# KiCad board q2v2.kicad_pcb (continued)
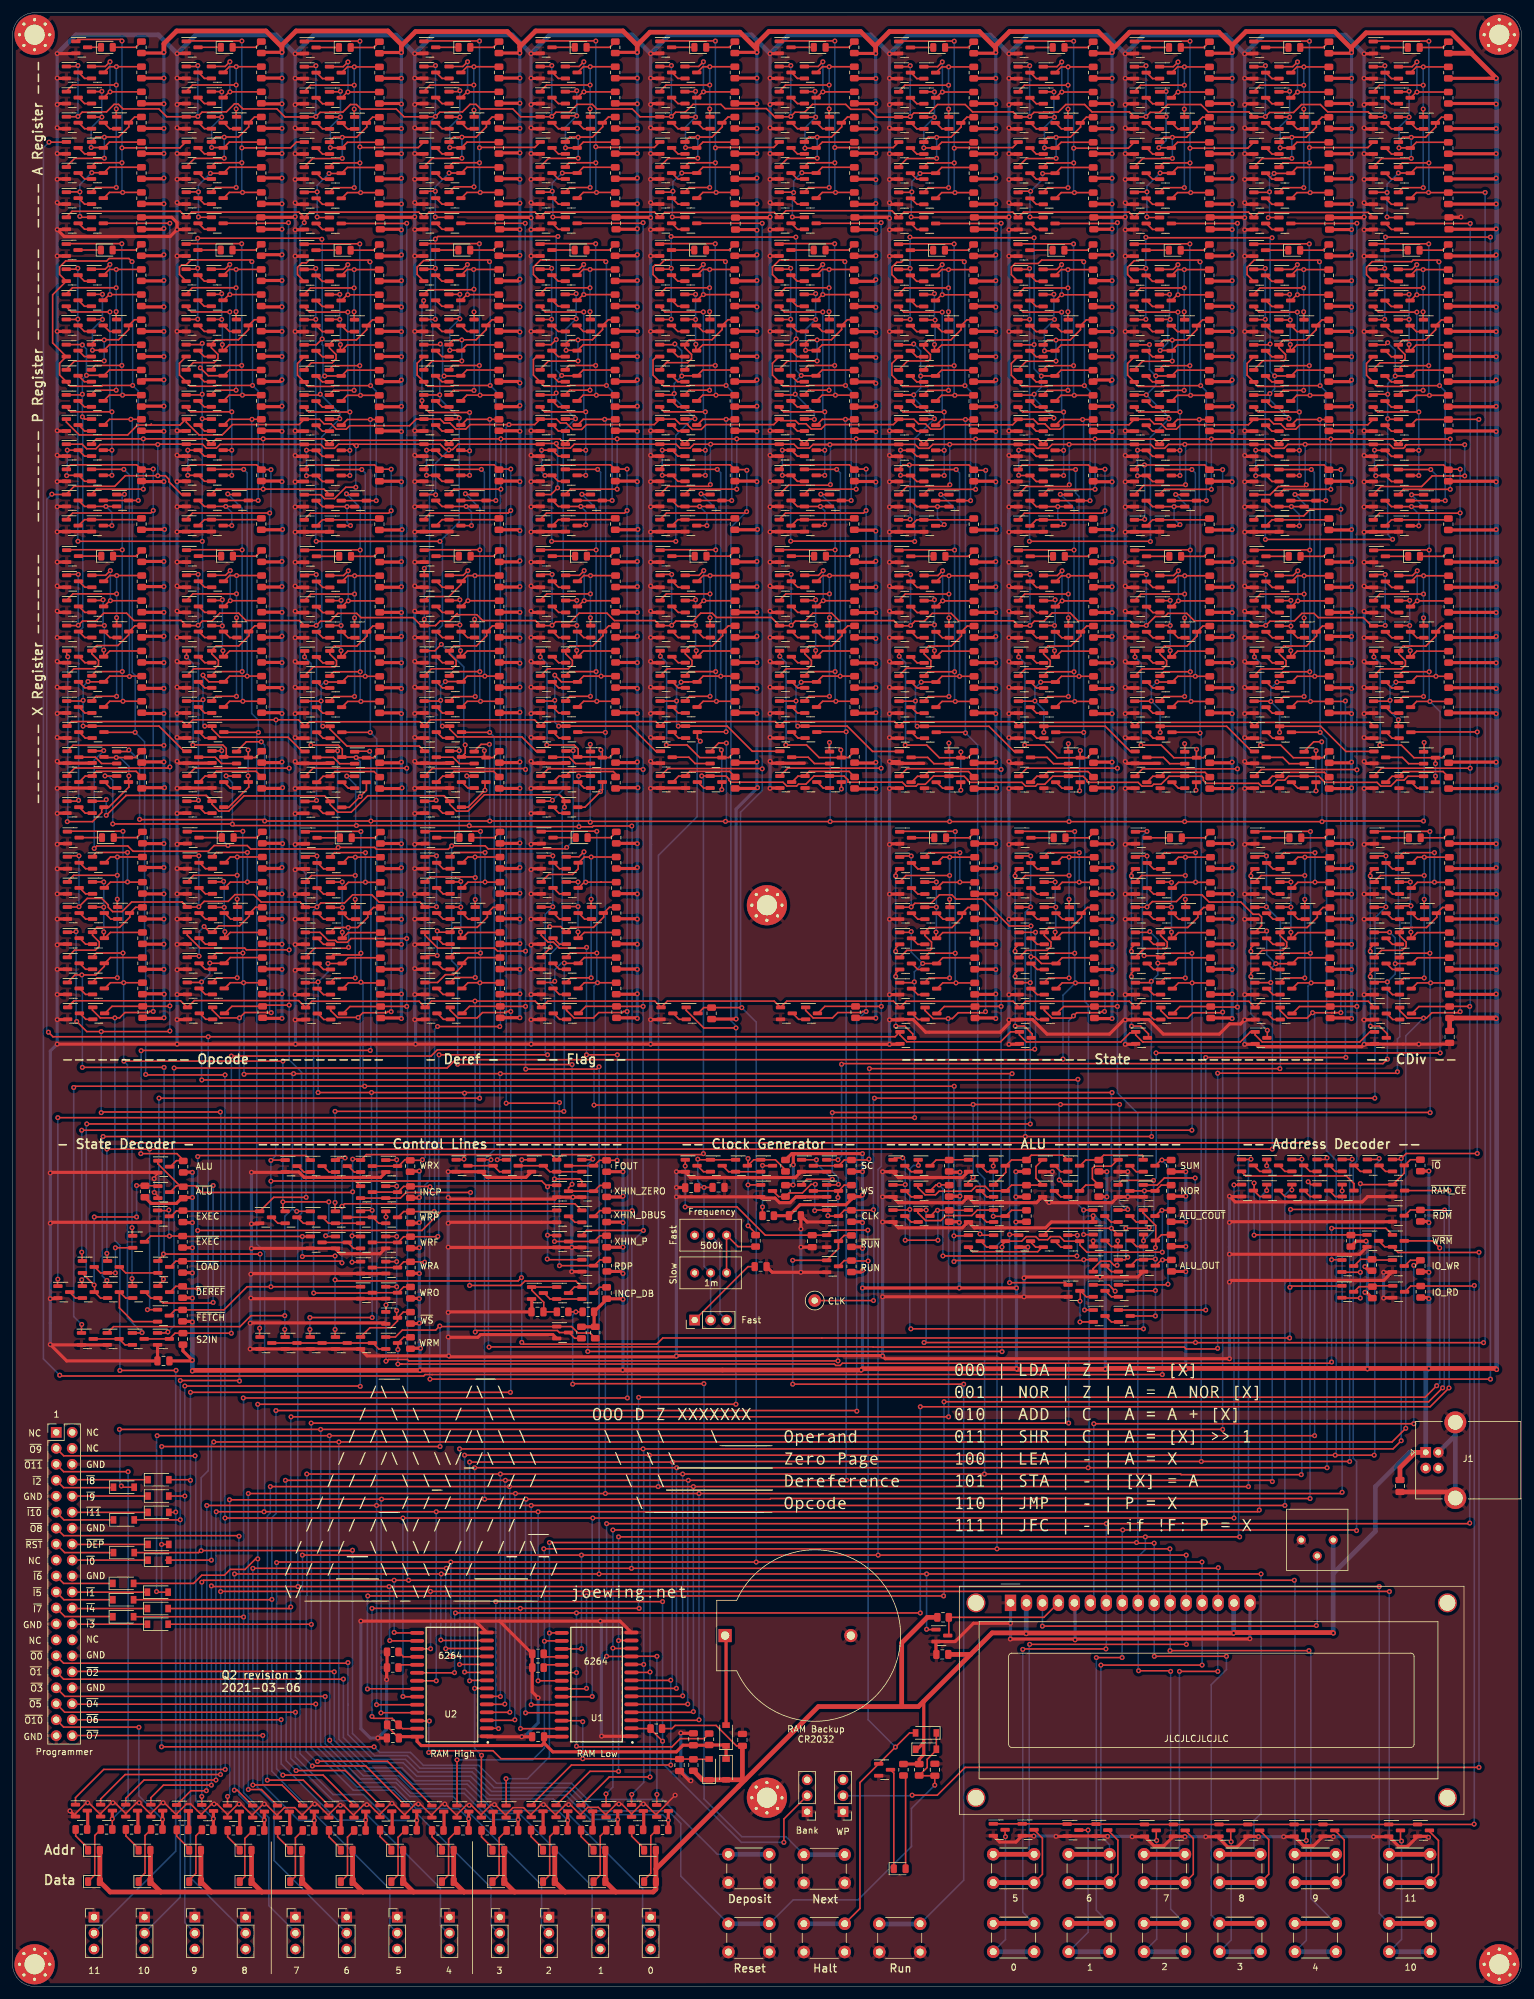
[diagram p0: board, top side]
## Routing (per net, layer and track width the routed paths; a pad name or vN(x,y) marks a point on that pad's centre or on a via; arc(x,y) is an arc through that point) (continued)
  Bottom w0.25: v1(70.45,59.43) 70.33,59.3 70.33,49.95 v1(70.3,49.93) ; v1(144.4,59.43) v1(144.4,92.23) ; v1(228.5,95.23) 228.53,95.25 228.53,126.6 v1(228.5,126.63) ; v1(89.7,59.43) v1(89.7,49.93) v1(89.7,38.23)
~{RDM}: length 279.3
  Top w0.25: v1(148.1,62.13) v1(91.3,62.13) v1(56.5,62.13) ; U1.22 91.24,47.36 v1(91.3,47.43) ; v1(148.18,93.03) 225.27,93.03 v1(227.49,95.24) ; 221.45,122.63 222.36,123.54 R299.2 ; U2.22 56.48,47.36 v1(56.45,47.33) ; v1(227.8,123.53) 223.96,123.53
  Bottom w0.25: v1(227.8,123.53) 227.75,123.48 227.75,95.5 v1(227.49,95.24) ; v1(91.3,47.43) v1(91.3,62.13) ; v1(148.1,62.13) 148.17,62.2 148.17,93.03 v1(148.18,93.03) ; v1(56.45,47.33) 56.45,60.88 56.45,62.08 v1(56.5,62.13)
~{RST}: length 1005.5
  Top w0.25: 216.4,237.35 217.7,238.65 224.15,238.65 225.84,240.33 v1(231,240.33) ; Q787.1 200.05,237.35 201.35,238.65 205.53,238.65 v1(205.8,238.92) ; 86.92,244.75 86.5,245.17 v1(86.5,245.5) 84.06,245.5 ; 86.92,244.75 88.72,244.75 89.35,245.37 Q1019.1 105.55,245.37 106.18,244.75 107.75,244.75 108.37,245.37 v1(111.04,245.37) Q1095.1 124.3,245.37 124.92,244.75 126.75,244.75 127.35,245.35 Q233.1 143.55,245.35 144.18,244.72 145.75,244.72 146.38,245.35 v1(149.08,245.35) Q406.1 162.38,245.35 163.01,244.72 164.75,244.72 165.37,245.35 v1(168.08,245.35) Q605.1 181.05,245.35 181.68,244.72 183.25,244.72 183.88,245.35 v1(186.48,245.35) Q785.1 199.88,245.35 200.51,244.72 202.25,244.72 202.87,245.35 v1(205.62,245.35) Q902.1 219.05,245.35 219.68,244.72 221.25,244.72 221.53,245 221.53,245.15 221.67,245.3 221.79,245.3 ; 86.92,244.75 86.9,244.75 ; Q11.1 6.3,237.38 v1(6.25,237.43) ; v1(54.7,245.13) 54.39,245.13 54.14,245.37 ; 54.14,245.37 51.85,245.37 51.2,244.72 49.63,244.72 49,245.35 Q324.1 33.01,245.35 32.42,244.75 30.85,244.75 30.22,245.38 Q151.1 23.15,245.38 v1(23.1,245.33) 13.89,245.33 ; 54.14,245.37 Q523.1 68.03,245.37 68.87,244.53 70.01,244.53 70.85,245.37 Q703.1 ; 8.5,245.38 11.06,245.38 11.79,244.65 13.25,244.65 13.93,245.33 ; Q525.1 67.25,237.37 v1(67.3,237.33) ; Q408.1 161.26,238.65 167.83,238.65 v1(168.1,238.92) ; 178.64,151.73 177.76,151.73 176.3,150.27 161.28,150.27 160.16,151.39 Q399.1 158.75,151.88 157.17,150.3 142.25,150.3 141.16,151.39 Q226.1 140.39,151.1 6.42,151.1 v1(5.7,151.83) ; v1(130.1,238.95) 130,238.85 123.44,238.85 Q1097.1 ; 221.79,245.3 v1(231,245.3) ; 221.79,245.3 221.79,245.26 ; 146.95,37.58 145.5,36.13 145.5,34.84 R370.2 ; v1(86.7,238.43) 85.65,237.37 Q705.1 ; 197.76,151.85 196.88,151.85 195.3,150.27 179.85,150.27 179.85,150.27 179.83,150.3 179.75,150.3 178.66,151.38 Q598.1 ; v1(186.6,238.93) 186.49,238.82 179.94,238.82 Q607.1 ; v1(146.7,32.03) 146.7,33.51 ; v1(149.1,238.92) 148.83,238.65 142.26,238.65 Q235.1 ; Q326.1 49,237.35 49.63,236.72 51.2,236.72 53,238.53 v1(54.6,238.53) ; 19.45,69.03 29.6,69.03 29.93,69.35 54.03,69.35 v1(54.08,69.4) ; D41.1 D42.2 ; Q778.1 197.66,151.39 198.78,150.27 214.3,150.27 215.88,151.85 216.76,151.85 ; 140.56,245.31 v1(130.02,245.31) 127.47,245.31 ; v1(111,238.95) 110.73,238.67 104.26,238.67 Q1021.1 ; 141.26,151.85 141.26,151.69 ; C25.2 144.26,33.53 ; Q153.1 26.89,237.38 24.89,239.38 24.89,239.77 24.3,240.36 v1(23.1,240.36) 17.94,240.36 16.25,238.68 9.8,238.68 8.5,237.38
  Bottom w0.25: v1(231,245.3) v1(231,240.33) ; v1(69.4,244.47) 67.3,242.37 v1(67.3,237.33) ; v1(54.08,69.4) 54.08,40.25 57.6,36.73 62.8,36.73 64.8,34.73 73.5,34.73 76.6,31.63 88.7,31.63 92.4,27.93 104.3,27.93 106.3,25.93 106.3,17.55 SW5.1 ; SW5.1 124.17,13.78 134.5,13.78 143,22.28 143,28.33 v1(146.7,32.03) ; v1(30,69.33) 30,80.93 31.13,82.05 31.13,151.1 v1(31.12,151.1) ; v1(54.6,238.53) 54.6,245.03 v1(54.7,245.13) ; v1(186.48,245.35) 186.6,245.23 v1(186.6,238.93) ; v1(130.1,238.95) 130.1,245.23 v1(130.02,245.31) ; v1(5.7,151.83) 5.42,152.1 5.42,236.6 v1(6.25,237.43) ; v1(149.1,238.92) 149.1,245.33 v1(149.08,245.35) ; v1(111.04,245.37) 111,245.33 v1(111,238.95) ; v1(205.62,245.35) 205.62,239.1 v1(205.8,238.92) ; v1(86.7,238.43) 86.7,245.3 v1(86.5,245.5) ; v1(168.08,245.35) 168.1,245.33 v1(168.1,238.92) ; v1(23.1,245.33) v1(23.1,240.36)
  Bottom w0.75: SW5.1 SW5.1
~{S0}: length 315
  Top w0.25: 203.56,162.76 204.47,163.67 R366.2 ; v1(180.46,179.86) 178.71,179.86 ; 178.56,171.71 180.41,171.71 v1(180.46,171.76) 181.31,172.61 185.14,172.61 186.21,173.68 189.2,173.68 190.35,172.53 195.39,172.53 197.33,170.58 198.26,170.58 198.69,170.16 198.69,168.77 Q854.1 199.28,167.71 v1(199.5,167.93) ; 15.05,115.43 15.05,116.58 v1(15,116.63) ; v1(200.95,162.73) 203.47,162.73 ; Q843.1 200.13,159.71 v1(200.15,159.73) ; v1(15,133.23) v1(21.8,133.23) v1(200.4,133.23) ; Q84.1 v1(21.45,107.68)
  Bottom w0.25: v1(180.46,171.76) v1(180.46,179.86) ; v1(15,116.63) v1(15,133.23) ; 21.9,133.13 v1(21.8,133.23) 21.8,108.03 v1(21.45,107.68) ; v1(199.5,167.93) 199.5,164.18 v1(200.95,162.73) 200.15,161.93 v1(200.15,159.73) 200.4,159.48 v1(200.4,133.23)
~{S1}: length 286.9
  Top w0.25: v1(161.96,179.86) 160.21,179.86 ; R283.2 185.47,163.67 184.56,162.76 ; v1(161.96,171.76) 161.91,171.71 160.06,171.71 ; Q674.1 180.78,167.71 v1(180.9,167.83) ; v1(15,112.33) 15.05,112.28 15.05,111.43 ; v1(14.4,135.23) v1(161.1,135.23) v1(181.2,135.23) ; v1(181.15,159.93) 180.93,159.71 Q663.1 ; Q666.3 182.24,162.76 v1(182.19,162.81)
  Bottom w0.25: v1(161.96,179.86) v1(161.96,171.76) 161.1,170.9 v1(161.1,135.23) ; v1(15,112.33) 14.27,113.05 14.27,135.1 v1(14.4,135.23) ; v1(181.2,135.23) 181.15,135.28 v1(181.15,159.93) 182.19,160.96 v1(182.19,162.81) 182.19,166.54 v1(180.9,167.83)
~{S2}: length 254
  Top w0.25: 166.06,162.76 166.97,163.67 R202.2 ; 141.06,171.71 142.91,171.71 v1(142.96,171.76) 143.54,172.33 146.09,172.33 147.44,173.68 149.41,173.68 150.08,173.01 154.26,173.01 158.54,168.73 v1(162,168.73) ; v1(142.96,179.86) 141.21,179.86 ; v1(11,112.43) 11.05,112.38 11.05,111.43 ; v1(11.8,137.23) v1(161.9,137.23) ; v1(162,163.83) 162.59,163.83 163.66,162.76 Q467.3 ; Q464.1 v1(161.88,159.71)
  Bottom w0.25: v1(142.96,171.76) v1(142.96,179.86) ; v1(161.9,137.23) 161.88,137.25 v1(161.88,159.71) 162,159.83 v1(162,163.83) v1(162,168.73) ; v1(11,112.43) 11.73,113.15 11.73,137.15 v1(11.8,137.23)
~{S3}: length 206.9
  Top w0.25: R124.2 147.97,163.67 147.06,162.76 ; 7.15,111.43 7.15,112.48 v1(7.2,112.53) ; Q291.1 143.33,159.71 v1(143.45,159.83) ; v1(142.95,167.83) 142.83,167.71 Q302.1 ; v1(7.2,138.23) v1(143.5,138.23) ; Q294.3 v1(144.78,162.76)
  Bottom w0.25: v1(142.95,167.83) 142.95,164.59 v1(144.78,162.76) 143.45,161.43 v1(143.45,159.83) 143.45,138.28 v1(143.5,138.23) ; v1(7.2,112.53) v1(7.2,138.23)
~{START_SW}: length 153.1
  Top w0.25: R135.2 132.3,119.49 Q313.3 131.39,117.4 Q314.1 v1(124.1,115.53) ; v1(124.1,95.83) v1(151.3,95.83)
  Bottom w0.25: v1(124.1,115.53) v1(124.1,95.83) ; SW7.1 151.3,16.9 v1(151.3,95.83)
  Bottom w0.75: 138.52,9.93 144.32,9.93
~{STOP_SW}: length 169.9
  Top w0.25: SW4.1 134.8,12.4 134.8,32.44 Q315.1 v1(140.44,38.08) 142.69,40.33 D41.2 ; R136.2 132.3,115.49 Q314.3 ; Q312.1 107.01,130.54 v1(107,130.53) ; v1(136.1,115.43) 133.51,115.43 ; v1(107,124.03) 115.24,124.03 119.74,119.53 C24.2 Q313.1 130.31,120.33 v1(136.05,120.33)
  Bottom w0.25: v1(107,124.03) v1(107,130.53) ; v1(140.44,38.08) 136.1,42.43 v1(136.1,115.43) 136.05,115.48 v1(136.05,120.33)
  Bottom w0.75: SW4.1 SW4.1
~{SW0}: length 522.6
  Top w0.25: v1(230.27,241.4) 228.49,241.4 ; R401.2 227.64,242.07 217.13,242.07 216.4,241.35 ; Q893.1 220.66,155.26 221.85,154.07 v1(224.46,154.07) 224.93,154.07 225.78,154.92 230.1,154.92 v1(230.27,155.1) ; v1(32,86.63) v1(51.9,86.63) 219.45,86.63 v1(221.62,88.8) ; v1(230.27,234.44) 230.23,234.4 217.45,234.4 216.4,233.35 ; 220.6,155.75 220.6,155.36 ; 24.35,67.83 v1(31.62,67.83)
  Bottom w0.25: v1(230.27,241.4) v1(230.27,234.44) v1(230.27,155.1) ; v1(221.62,88.8) 221.62,151.24 v1(224.46,154.07) ; v1(31.62,67.83) 31.62,86.25 v1(32,86.63) ; 101.4,8.52 100.22,9.69 100.22,15.58 85.98,29.83 75.5,29.83 72.6,32.73 64,32.73 61.95,34.78 56.45,34.78 51.9,39.33 v1(51.9,86.63)
~{SW1}: length 514
  Top w0.25: 201.6,155.36 201.6,155.75 ; 197.4,241.35 198.13,242.07 208.64,242.07 R338.2 211.28,241.31 v1(211.3,241.33) ; Q776.1 201.66,155.25 202.85,154.07 205.93,154.07 206.78,154.92 v1(206.8,154.92) 209.8,154.92 ; 209.8,154.92 209.81,154.93 v1(211.3,154.93) ; 209.8,154.92 210.53,154.92 ; v1(23,87.63) v1(207.12,87.63) ; v1(211.3,235.03) 206.45,235.03 205.4,233.97 198.09,233.97 Q789.1 ; D80.2 23,62.73 v1(22.9,62.83) ; 50.3,39.03 v1(50.45,39.18)
  Bottom w0.25: v1(211.3,154.93) v1(211.3,235.03) v1(211.3,241.33) ; v1(206.8,154.92) 207.12,154.6 v1(207.12,87.63) ; v1(50.4,87.63) 50.45,87.58 v1(50.45,39.18) 50.45,38.88 55.8,33.53 61.4,33.53 63.5,31.43 72,31.43 75.9,27.53 80.6,27.53 92.18,15.94 92.18,9.69 93.36,8.52 ; v1(23,87.63) 22.9,87.53 v1(22.9,62.83)
~{SW2}: length 478.9
  Top w0.25: 178.4,241.35 179.13,242.07 v1(180.05,242.07) 189.64,242.07 R255.2 192.48,241.31 v1(192.5,241.33) ; 182.6,155.36 182.6,155.75 ; v1(17,88.63) v1(49,88.63) v1(192.5,88.63) ; Q596.1 182.66,155.26 183.85,154.07 186.93,154.07 187.78,154.92 192.4,154.92 v1(192.5,155.03) ; v1(17.3,79.63) 17.5,79.43 19.45,79.43 ; v1(180.1,233.43) 180.02,233.35 Q609.1
  Bottom w0.25: v1(192.5,241.33) v1(192.5,155.03) v1(192.5,88.63) ; v1(17,88.63) 17.07,88.55 17.07,79.85 v1(17.3,79.63) ; v1(180.05,242.07) 180.1,242.03 v1(180.1,233.43) ; 85.32,8.52 84.14,9.69 84.14,16.15 70.07,30.23 63.2,30.23 61,32.43 55,32.43 49,38.43 49,81.15 49.03,81.18 49.03,88.55 49,88.58 v1(49,88.63)
~{SW3}: length 432.3
  Top w0.25: R174.2 171.14,242.07 160.63,242.07 159.9,241.35 ; 173.78,155.1 173.21,155.1 173.03,154.92 169.28,154.92 v1(168.77,154.41) 168.43,154.07 165.35,154.07 164.16,155.26 Q397.1 ; v1(173.78,241.4) 171.99,241.4 ; 164.1,155.36 164.1,155.75 ; 159.9,233.35 160.95,234.4 173.38,234.4 v1(173.78,234.8) ; v1(47.5,89.63) v1(168,89.63) ; D74.2 47.5,57.63 v1(47.53,57.6)
  Bottom w0.25: v1(173.78,234.8) v1(173.78,241.4) ; v1(173.78,234.8) 173.9,234.8 ; v1(173.78,234.8) 173.78,155.1 ; v1(47.5,89.63) 47.53,89.6 v1(47.53,57.6) 47.53,51.55 47.5,51.53 47.5,37.93 54.2,31.23 60.6,31.23 76.1,15.72 76.1,9.69 77.28,8.52 ; v1(168,89.63) 168,153.65 v1(168.77,154.41)
  vias: v1(173.7,155.13)
~{SW4}: length 404.5
  Top w0.25: R96.2 152.14,242.07 v1(142.65,242.07) 141.63,242.07 140.9,241.35 ; 145.1,155.36 145.1,155.75 ; D75.2 44,60.13 v1(44.25,60.38) ; v1(154.8,241.23) 152.98,241.23 ; Q224.1 145.16,155.25 146.42,154 v1(148.83,154) 149.5,154 150.43,154.92 154.6,154.92 v1(154.78,155.1) ; v1(44.3,90.63) v1(148.9,90.63) ; v1(142.78,233.43) 142.7,233.35 Q237.1
  Bottom w0.25: v1(44.3,90.63) 44.25,90.58 v1(44.25,60.38) 44.25,36.28 50.97,29.55 54.15,29.55 68.06,15.64 68.06,9.69 69.24,8.52 ; v1(154.78,155.1) 154.78,241.2 v1(154.8,241.23) ; v1(142.78,233.43) 142.78,241.95 v1(142.65,242.07) ; v1(148.83,154) 148.9,153.93 v1(148.9,90.63)
~{SW5}: length 396.8
  Top w0.25: v1(135.78,155.12) 135.21,155.12 135.03,154.95 131.28,154.95 130.43,154.1 127.35,154.1 126.16,155.29 Q958.1 ; 121.9,241.37 122.63,242.1 133.14,242.1 R485.2 ; v1(135.78,234.82) 135.38,234.42 122.95,234.42 121.9,233.37 ; v1(135.78,241.42) 133.99,241.42 ; v1(41.25,61.58) 41.2,61.53 D76.2 ; v1(41.9,91.63) 134.2,91.63 v1(134.3,91.53)
  Bottom w0.25: 135.9,155.25 v1(135.78,155.12) ; v1(135.78,155.12) v1(135.78,234.82) ; v1(135.78,155.12) 134.27,153.62 134.27,91.55 v1(134.3,91.53) ; 135.9,234.82 v1(135.78,234.82) ; v1(135.78,234.82) v1(135.78,241.42) ; v1(41.9,91.63) 41.9,75.23 41.25,74.58 v1(41.25,61.58) 41.25,34.23 60.02,15.46 60.02,9.69 61.2,8.52
~{SW6}: length 376
  Top w0.25: 102.9,241.37 103.63,242.1 114.14,242.1 R453.2 116.69,241.33 v1(116.8,241.23) ; D82.2 28.8,64.13 30.1,65.43 33.7,65.43 34.63,66.35 36.98,66.35 38.65,68.03 v1(39,68.03) ; v1(39,92.63) v1(115.07,92.63) ; v1(116.78,234.65) 116.55,234.43 104.02,234.43 Q1023.1 ; Q974.1 107.16,155.29 109.95,152.5 v1(115.07,152.5)
  Bottom w0.25: 53.15,8.52 51.98,9.69 51.93,9.69 41.6,20.03 41.6,29.03 38.95,31.68 38.95,59.98 39,60.03 v1(39,68.03) v1(39,92.63) ; v1(115.07,92.63) v1(115.07,152.5) 115.07,152.85 114.28,153.65 114.28,232.15 v1(116.78,234.65) ; 116.78,234.55 116.8,234.58 v1(116.8,241.23)
~{SW7}: length 355.6
  Top w0.25: 83.88,241.37 84.6,242.1 95.11,242.1 R304.2 ; 88.07,155.39 88.07,155.77 ; 83.88,233.37 84.93,234.42 97.35,234.42 v1(97.75,234.82) ; v1(97.75,241.42) 95.96,241.42 ; v1(97.75,155.12) 97.18,155.12 97.01,154.95 93.25,154.95 92.4,154.1 89.32,154.1 88.14,155.28 Q695.1 ; v1(36.7,93.63) v1(97.8,93.63) ; v1(36.75,58.78) 36.7,58.83 D81.2
  Bottom w0.25: 97.88,234.82 v1(97.75,234.82) ; v1(97.75,234.82) v1(97.75,241.42) ; v1(97.75,234.82) v1(97.75,155.12) ; 97.88,155.25 v1(97.75,155.12) ; v1(97.75,155.12) 97.83,155.05 97.83,93.65 v1(97.8,93.63) ; 45.11,8.52 40.77,12.86 40.77,26.83 36.75,30.85 36.75,93.58 v1(36.7,93.63)
~{SW8}: length 331.5
  Top w0.25: 65.38,241.37 66.1,242.1 76.61,242.1 R221.2 ; 69.58,155.39 69.58,155.77 ; 65.38,233.37 66.43,234.42 78.85,234.42 v1(79.25,234.82) ; v1(79.25,241.42) 77.46,241.42 ; v1(79.25,155.12) 78.68,155.12 78.51,154.95 74.75,154.95 73.9,154.1 70.82,154.1 69.64,155.28 Q515.1 ; v1(28.3,94.53) v1(79.2,94.53) ; D72.2 28.2,80.63 v1(28.3,80.53)
  Bottom w0.25: 79.38,234.82 v1(79.25,234.82) ; v1(79.25,234.82) v1(79.25,241.42) ; v1(79.25,234.82) v1(79.25,155.12) ; 79.38,155.25 v1(79.25,155.12) ; v1(79.25,155.12) 79.25,94.58 v1(79.2,94.53) ; 37.07,8.52 28.3,17.29 v1(28.3,94.53)
~{SW9}: length 303.8
  Top w0.25: 46.35,241.35 47.08,242.07 57.59,242.07 R140.2 ; 50.55,155.36 50.55,155.75 ; 46.35,233.35 47.4,234.4 59.83,234.4 v1(60.22,234.8) ; v1(60.22,241.4) 58.44,241.4 ; v1(60.22,155.1) 59.66,155.1 59.48,154.92 55.73,154.92 v1(54.97,154.17) 51.7,154.17 50.61,155.25 Q316.1 ; v1(55.3,95.48) 55.25,95.53 v1(27.4,95.53) ; v1(27.4,78.03) D71.2
  Bottom w0.25: 60.35,234.8 v1(60.22,234.8) ; v1(60.22,234.8) v1(60.22,241.4) ; v1(60.22,234.8) v1(60.22,155.1) 60.35,155.22 ; v1(27.4,95.53) 27.4,10.15 29.03,8.52 ; v1(55.3,95.48) 55.29,95.48 55.29,153.85 v1(54.97,154.17)
~{SW10}: length 290.8
  Top w0.25: 27.57,241.38 28.29,242.1 38.81,242.1 R62.2 41.09,241.34 v1(41.1,241.33) ; 40.7,154.95 36.94,154.95 v1(36.09,154.1) 33.02,154.1 31.77,155.35 31.77,155.78 ; v1(40.9,234.43) 28.62,234.43 27.57,233.38 ; v1(41.14,154.93) 40.4,154.93 40.37,154.95 ; v1(36.1,96.33) 36.03,96.4 v1(26.67,96.4) ; D70.2 26.65,74.23 v1(26.67,74.25)
  Bottom w0.25: 36.17,154.03 v1(36.09,154.1) 36.09,96.92 ; v1(41.14,154.93) 40.9,155.17 v1(40.9,234.43) 41.1,234.63 v1(41.1,241.33) ; 36.1,96.53 36.09,96.53 36.09,96.92 ; v1(36.1,96.33) 36.1,96.91 36.09,96.92 ; v1(26.67,96.4) 26.67,96.4 v1(26.67,74.25) 26.67,14.2 20.99,8.52
~{SW11}: length 288.1
  Top w0.25: v1(22.38,241.43) 20.59,241.43 ; v1(22.38,155.13) 21.81,155.13 21.63,154.95 17.88,154.95 17.03,154.1 v1(16.27,154.1) 13.95,154.1 12.7,155.35 12.7,155.78 ; D69.2 25.9,75.43 v1(25.95,75.48) ; v1(22.38,234.83) 21.98,234.43 9.55,234.43 8.5,233.38 ; v1(26,98.03) 25.98,98 v1(17.08,98) 17.05,97.98 ; 8.5,241.38 9.23,242.1 19.74,242.1 R3.2
  Bottom w0.25: 25.95,46.53 25.95,46.68 ; 25.95,46.53 25.95,21.52 12.95,8.52 ; 25.95,46.53 v1(25.95,75.48) 25.95,97.98 v1(26,98.03) ; v1(22.38,234.83) v1(22.38,155.13) 22.5,155.25 ; v1(22.38,234.83) v1(22.38,241.43) ; v1(22.38,234.83) 22.5,234.83 ; v1(16.27,154.1) 16.27,118.67 17.08,117.87 v1(17.08,98)
~{WRM}: length 283
  Top w0.25: v1(227.02,117.5) 225.9,118.63 Q683.3 ; v1(226.54,95.57) 224.72,93.75 99.63,93.75 ; v1(99.68,60.15) v1(80.78,60.15) v1(57.17,60.15) ; v1(57.17,42.95) 57.47,42.65 60.39,42.65 R292.2 62.03,41.01 U2.27 ; v1(99.6,93.73) 99.7,93.83 ; v1(80.8,41.03) 80.81,41.01 U1.27
  Bottom w0.25: v1(80.78,60.15) 80.8,60.13 v1(80.8,41.03) ; v1(99.6,93.73) 99.57,93.7 99.57,60.25 v1(99.68,60.15) ; v1(57.17,60.15) 57.17,60.15 v1(57.17,42.95) ; v1(226.54,95.57) 227.02,96.05 v1(227.02,117.5)
~{WRP}: length 550.1
  Top w0.25: 31.57,237.38 32.42,238.23 v1(39.87,238.23) 49.53,238.23 Q322.1 ; 87.88,237.37 88.72,238.22 v1(96.18,238.22) ; 87.88,245.37 88.72,246.22 v1(96.18,246.22) 106.11,246.22 Q1015.1 ; 69.38,237.37 70.22,238.22 v1(77.68,238.22) ; 69.38,245.37 70.22,246.22 v1(77.68,246.22) 87.09,246.22 Q699.1 ; 106.9,245.37 107.75,246.22 v1(115.2,246.22) 125.11,246.22 Q1091.1 ; v1(228.7,238.2) 221.25,238.2 220.4,237.35 ; 125.9,237.37 126.75,238.22 v1(134.2,238.22) ; 182.4,245.35 183.25,246.2 v1(190.7,246.2) 200.61,246.2 Q781.1 ; 163.9,237.35 164.75,238.2 v1(172.2,238.2) ; v1(228.7,246.2) 221.25,246.2 220.4,245.35 ; 106.9,237.37 107.75,238.22 v1(115.2,238.22) ; v1(209.7,238.2) 202.25,238.2 201.4,237.35 ; 125.9,245.37 126.75,246.22 v1(134.2,246.22) 144.09,246.22 Q229.1 ; 144.9,245.35 145.75,246.2 v1(153.2,246.2) 163.11,246.2 Q402.1 ; v1(153.2,238.2) 145.75,238.2 144.9,237.35 ; 163.9,245.35 164.75,246.2 v1(172.2,246.2) 181.61,246.2 Q601.1 ; 182.4,237.35 183.25,238.2 v1(190.7,238.2) ; 201.4,245.35 202.25,246.2 v1(209.7,246.2) 219.61,246.2 Q898.1 ; 12.5,237.38 13.35,238.23 v1(20.8,238.23) ; v1(67.6,152.73) v1(77.5,152.73) ; v1(67.06,123.29) R57.2 62.21,123.29 61.3,122.38 ; 12.5,245.38 13.35,246.23 v1(20.8,246.23) 30.72,246.23 31.57,245.38 32.42,246.23 v1(39.87,246.23) 49.53,246.23 Q320.1 51.06,246 68.81,246 Q519.1
  Bottom w0.25: v1(39.87,238.23) v1(39.87,246.23) ; v1(96.18,238.22) v1(96.18,246.22) ; v1(77.68,246.22) v1(77.68,238.22) 77.6,238.15 77.6,152.83 v1(77.5,152.73) ; v1(115.2,238.22) v1(115.2,246.22) ; v1(153.2,238.2) v1(153.2,246.2) ; v1(190.7,238.2) v1(190.7,246.2) ; v1(172.2,238.2) v1(172.2,246.2) ; v1(134.2,238.22) v1(134.2,246.22) ; v1(228.7,238.2) v1(228.7,246.2) ; v1(209.7,238.2) v1(209.7,246.2) ; v1(67.06,123.29) 67.13,123.35 67.13,152.25 v1(67.6,152.73) ; v1(20.8,238.23) v1(20.8,246.23)
~{X0}: length 334
  Top w0.25: 220.4,241.35 v1(225.6,241.35) ; 222.45,207.54 223.36,208.45 v1(226.43,208.45) R422.2 ; v1(75.8,101.73) 75.83,101.75 136.87,101.75 136.9,101.73 157.05,101.73 186.4,101.73 186.7,101.43 191.6,101.43 v1(191.7,101.53) ; Q949.3 220.06,207.54 v1(220.05,207.53) ; Q136.1 v1(76.1,131.53) ; v1(219.12,204.63) 218.99,204.49 Q946.1 ; v1(191.7,145.3) 220.07,145.3 v1(220.3,145.53) ; v1(220.45,201.53) 220.45,200.61
  Bottom w0.25: v1(225.6,241.35) 226.43,240.52 v1(226.43,208.45) ; v1(76.1,131.53) 75.7,131.13 75.7,101.83 v1(75.8,101.73) ; v1(220.05,207.53) 219.12,206.6 v1(219.12,204.63) 219.12,202.85 v1(220.45,201.53) 220.45,170.2 220.68,169.97 220.68,151.12 220.3,150.75 v1(220.3,145.53) ; v1(191.7,101.53) v1(191.7,145.3)
Net-(BT1-Pad1): length 14.1
  Top w0.5: D30.2 113.5,55.68
Net-(C7-Pad2): length 10.9
  Top w0.25: 86.64,107.33 84.5,107.33 84.5,108.85 82.6,110.75 82.6,110.8 82.61,110.79 82.61,111.28 ; 82.55,111.28 86.55,111.28
Net-(C11-Pad2): length 13.1
  Top w0.25: SW1.1 117,114.53 C11.2
Net-(C12-Pad2): length 34.9
  Top w0.25: 108.95,127.13 v1(110,127.13) C13.2 ; 114.95,131.53 110.95,131.53 ; Q309.1 109.1,131.53 v1(109,131.63)
  Bottom w0.25: v1(109,131.63) 109,128.13 v1(110,127.13) 109.99,127.12 109.99,114.57 RV1.2 SW1.2
Net-(C18-Pad2): length 62.3
  Top w0.25: C19.2 59.59,41.39
  Top w0.5: R293.1 113.36,38.41 ; 84.55,38.71 85.94,37.33 105.6,37.33 106.65,38.38 C20.1 110.76,38.38 ; 84.55,38.71 84.16,38.33 65,38.33 64.35,38.98 U2.28 61.67,39.74 ; 84.55,38.71 C18.2 ; U1.28 84.76,39.74 ; 113.5,38.43 D31.1
Net-(C21-Pad2): length 61.4
  Top w0.25: U1.26 90.54,42.28 v1(90.7,42.13) ; v1(66.2,37.23) 66.48,37.5 76.42,37.5 77.7,36.23 v1(90.7,36.23) 104.77,36.23 104.82,36.18 C21.2 108.26,36.18 ; R298.2 110.76,36.14 ; 64.41,42.23 v1(66.3,42.23)
  Bottom w0.25: v1(66.3,42.23) 66.2,42.13 v1(66.2,37.23) ; v1(90.7,36.23) v1(90.7,42.13)
Net-(D1-Pad1): length 3.6
  Top w0.25: 10.48,276.27 D1.1
Net-(D1-Pad2): length 4.9
  Top w0.25: R7.2 19.57,276.27 D1.2
Net-(D2-Pad1): length 2.1
  Top w0.25: D2.1 Q34.3
Net-(D2-Pad2): length 4.9
  Top w0.25: D2.2 19.59,308.53 R14.2
Net-(D3-Pad1): length 3.6
  Top w0.25: 10.55,227.57 D3.1
Net-(D3-Pad2): length 4.9
  Top w0.25: R23.2 19.64,227.57 D3.2
Net-(D4-Pad1): length 3.6
  Top w0.25: 10.66,182.79 D4.1
Net-(D4-Pad2): length 4.9
  Top w0.25: R30.2 19.75,182.79 D4.2
Net-(D5-Pad1): length 3.6
  Top w0.25: 29.55,276.27 D5.1
Net-(D5-Pad2): length 4.9
  Top w0.25: R66.2 38.64,276.27 D5.2
Net-(D6-Pad1): length 3.6
  Top w0.25: 29.57,308.53 D6.1
Net-(D6-Pad2): length 4.9
  Top w0.25: R73.2 38.66,308.53 D6.2
Net-(D7-Pad1): length 3.6
  Top w0.25: 29.62,227.57 D7.1
Net-(D7-Pad2): length 4.9
  Top w0.25: R82.2 38.71,227.57 D7.2
Net-(D8-Pad1): length 3.6
  Top w0.25: 29.73,182.79 D8.1
Net-(D8-Pad2): length 4.9
  Top w0.25: R89.2 38.82,182.79 D8.2
Net-(D9-Pad1): length 3.6
  Top w0.25: 142.88,276.24 D9.1
Net-(D9-Pad2): length 4.9
  Top w0.25: R100.2 151.97,276.24 D9.2
Net-(D10-Pad1): length 3.6
  Top w0.25: 142.9,308.5 D10.1
Net-(D10-Pad2): length 4.9
  Top w0.25: R107.2 151.99,308.5 D10.2
Net-(D11-Pad1): length 3.6
  Top w0.25: 142.95,227.54 D11.1
Net-(D11-Pad2): length 4.9
  Top w0.25: D11.2 152.04,227.54 R116.2
Net-(D12-Pad1): length 3.6
  Top w0.25: 143.06,182.76 D12.1
Net-(D12-Pad2): length 4.9
  Top w0.25: D12.2 152.15,182.76 R123.2
Net-(D13-Pad1): length 16
  Top w0.25: D13.1 140.19,33.95 Q315.3
Net-(D13-Pad2): length 14.5
  Top w0.25: D13.2 142.06,33.22
Net-(D14-Pad1): length 3.6
  Top w0.25: 48.33,276.24 D14.1
Net-(D14-Pad2): length 4.9
  Top w0.25: R144.2 57.42,276.24 D14.2
Net-(D15-Pad1): length 3.6
  Top w0.25: 48.35,308.5 D15.1
Net-(D15-Pad2): length 4.9
  Top w0.25: R151.2 57.44,308.5 D15.2
Net-(D16-Pad1): length 3.6
  Top w0.25: 48.4,227.54 D16.1
Net-(D16-Pad2): length 4.9
  Top w0.25: R160.2 57.49,227.54 D16.2
Net-(D17-Pad1): length 3.6
  Top w0.25: 48.51,182.76 D17.1
Net-(D17-Pad2): length 4.9
  Top w0.25: R167.2 57.6,182.76 D17.2
Net-(D18-Pad1): length 3.6
  Top w0.25: 161.88,276.24 D18.1
Net-(D18-Pad2): length 4.9
  Top w0.25: R178.2 170.97,276.24 D18.2
Net-(D19-Pad1): length 3.6
  Top w0.25: 161.9,308.5 D19.1
Net-(D19-Pad2): length 4.9
  Top w0.25: D19.2 170.99,308.5 R185.2
Net-(D20-Pad1): length 3.6
  Top w0.25: 161.95,227.54 D20.1
Net-(D20-Pad2): length 4.9
  Top w0.25: D20.2 171.04,227.54 R194.2
Net-(D21-Pad1): length 3.6
  Top w0.25: 162.06,182.76 D21.1
Net-(D21-Pad2): length 4.9
  Top w0.25: D21.2 171.15,182.76 R201.2
Net-(D22-Pad1): length 3.6
  Top w0.25: 67.36,276.27 D22.1
Net-(D22-Pad2): length 4.9
  Top w0.25: R225.2 76.44,276.27 D22.2
Net-(D23-Pad1): length 3.6
  Top w0.25: 67.38,308.52 D23.1
Net-(D23-Pad2): length 4.9
  Top w0.25: R232.2 76.46,308.52 D23.2
Net-(D24-Pad1): length 3.6
  Top w0.25: 67.42,227.56 D24.1
Net-(D24-Pad2): length 4.9
  Top w0.25: R241.2 76.51,227.56 D24.2
Net-(D25-Pad1): length 3.6
  Top w0.25: 67.54,182.78 D25.1
Net-(D25-Pad2): length 4.9
  Top w0.25: R248.2 76.62,182.78 D25.2
Net-(D26-Pad1): length 3.6
  Top w0.25: 180.38,276.24 D26.1
Net-(D26-Pad2): length 4.9
  Top w0.25: D26.2 189.47,276.24 R259.2
Net-(D27-Pad1): length 3.6
  Top w0.25: 180.4,308.5 D27.1
Net-(D27-Pad2): length 4.9
  Top w0.25: D27.2 189.49,308.5 R266.2
Net-(D28-Pad1): length 3.6
  Top w0.25: 180.45,227.54 D28.1
Net-(D28-Pad2): length 4.9
  Top w0.25: D28.2 189.54,227.54 R275.2
Net-(D29-Pad1): length 3.6
  Top w0.25: 180.56,182.76 D29.1
Net-(D29-Pad2): length 4.9
  Top w0.25: D29.2 189.65,182.76 R282.2
Net-(D33-Pad1): length 3.6
  Top w0.25: 85.85,276.27 D33.1
Net-(D33-Pad2): length 4.9
  Top w0.25: R308.2 94.94,276.27 D33.2
Net-(D34-Pad1): length 3.6
  Top w0.25: 85.88,308.52 D34.1
Net-(D34-Pad2): length 4.9
  Top w0.25: R315.2 94.96,308.52 D34.2
Net-(D35-Pad1): length 3.6
  Top w0.25: 85.93,227.56 D35.1
Net-(D35-Pad2): length 4.9
  Top w0.25: R324.2 95.01,227.56 D35.2
Net-(D36-Pad1): length 3.6
  Top w0.25: 86.04,182.78 D36.1
Net-(D36-Pad2): length 4.9
  Top w0.25: R331.2 95.12,182.78 D36.2
Net-(D37-Pad1): length 3.6
  Top w0.25: 199.38,276.24 D37.1
Net-(D37-Pad2): length 4.9
  Top w0.25: D37.2 208.47,276.24 R342.2
Net-(D38-Pad1): length 3.6
  Top w0.25: 199.4,308.5 D38.1
Net-(D38-Pad2): length 4.9
  Top w0.25: D38.2 208.49,308.5 R349.2
Net-(D39-Pad1): length 3.6
  Top w0.25: 199.45,227.54 D39.1
Net-(D39-Pad2): length 4.9
  Top w0.25: R358.2 208.54,227.54 D39.2
Net-(D40-Pad1): length 3.6
  Top w0.25: 199.56,182.76 D40.1
Net-(D40-Pad2): length 4.9
  Top w0.25: D40.2 208.65,182.76 R365.2
Net-(D43-Pad1): length 3.8
  Top w0.25: 60.44,21.87 58.47,23.85 R375.1
Net-(D44-Pad1): length 9.1
  Top w0.25: D44.1 61.32,17.73 61.32,23.72 R376.1
Net-(D45-Pad1): length 3.8
  Top w0.25: R377.1 10.04,23.95 12.01,21.98
Net-(D46-Pad1): length 9.1
  Top w0.25: D46.1 13.07,17.73 13.07,24.01 R378.1
Net-(D47-Pad1): length 3.8
  Top w0.25: 68.7,21.82 66.73,23.8 R379.1
Net-(D48-Pad1): length 9.2
  Top w0.25: R380.1 69.36,23.45 69.36,17.73 D48.1
Net-(D49-Pad1): length 3.8
  Top w0.25: R381.1 18.03,23.95 20,21.97
Net-(D50-Pad1): length 8.8
  Top w0.25: 20,16.97 21.06,18.03 21.06,24.01 R382.1
Net-(D51-Pad1): length 3.8
  Top w0.25: 76.57,21.82 74.6,23.8 R383.1
Net-(D52-Pad1): length 9.1
  Top w0.25: R384.1 77.4,23.62 77.4,17.73 D52.1
Net-(D53-Pad1): length 3.8
  Top w0.25: 28.09,21.92 26.12,23.9 R385.1
Net-(D54-Pad1): length 8.8
  Top w0.25: R386.1 29.15,23.96 29.15,17.98 28.09,16.92
